# Altium PCB 11BRANMB10H2_20170927.pcbdoc (part 4 of 11)
Units mm, origin at the board's own origin, x right, y up, seen from the top; angles counter-clockwise.
Board outline 91.65 x 48.25 mm, 6 copper layers (TOP, GND1, Singal, POWER, GND2, BOTTOM), stack 0.8 mm thick; 370 components, 289 nets, 1421 pads, 980 vias.
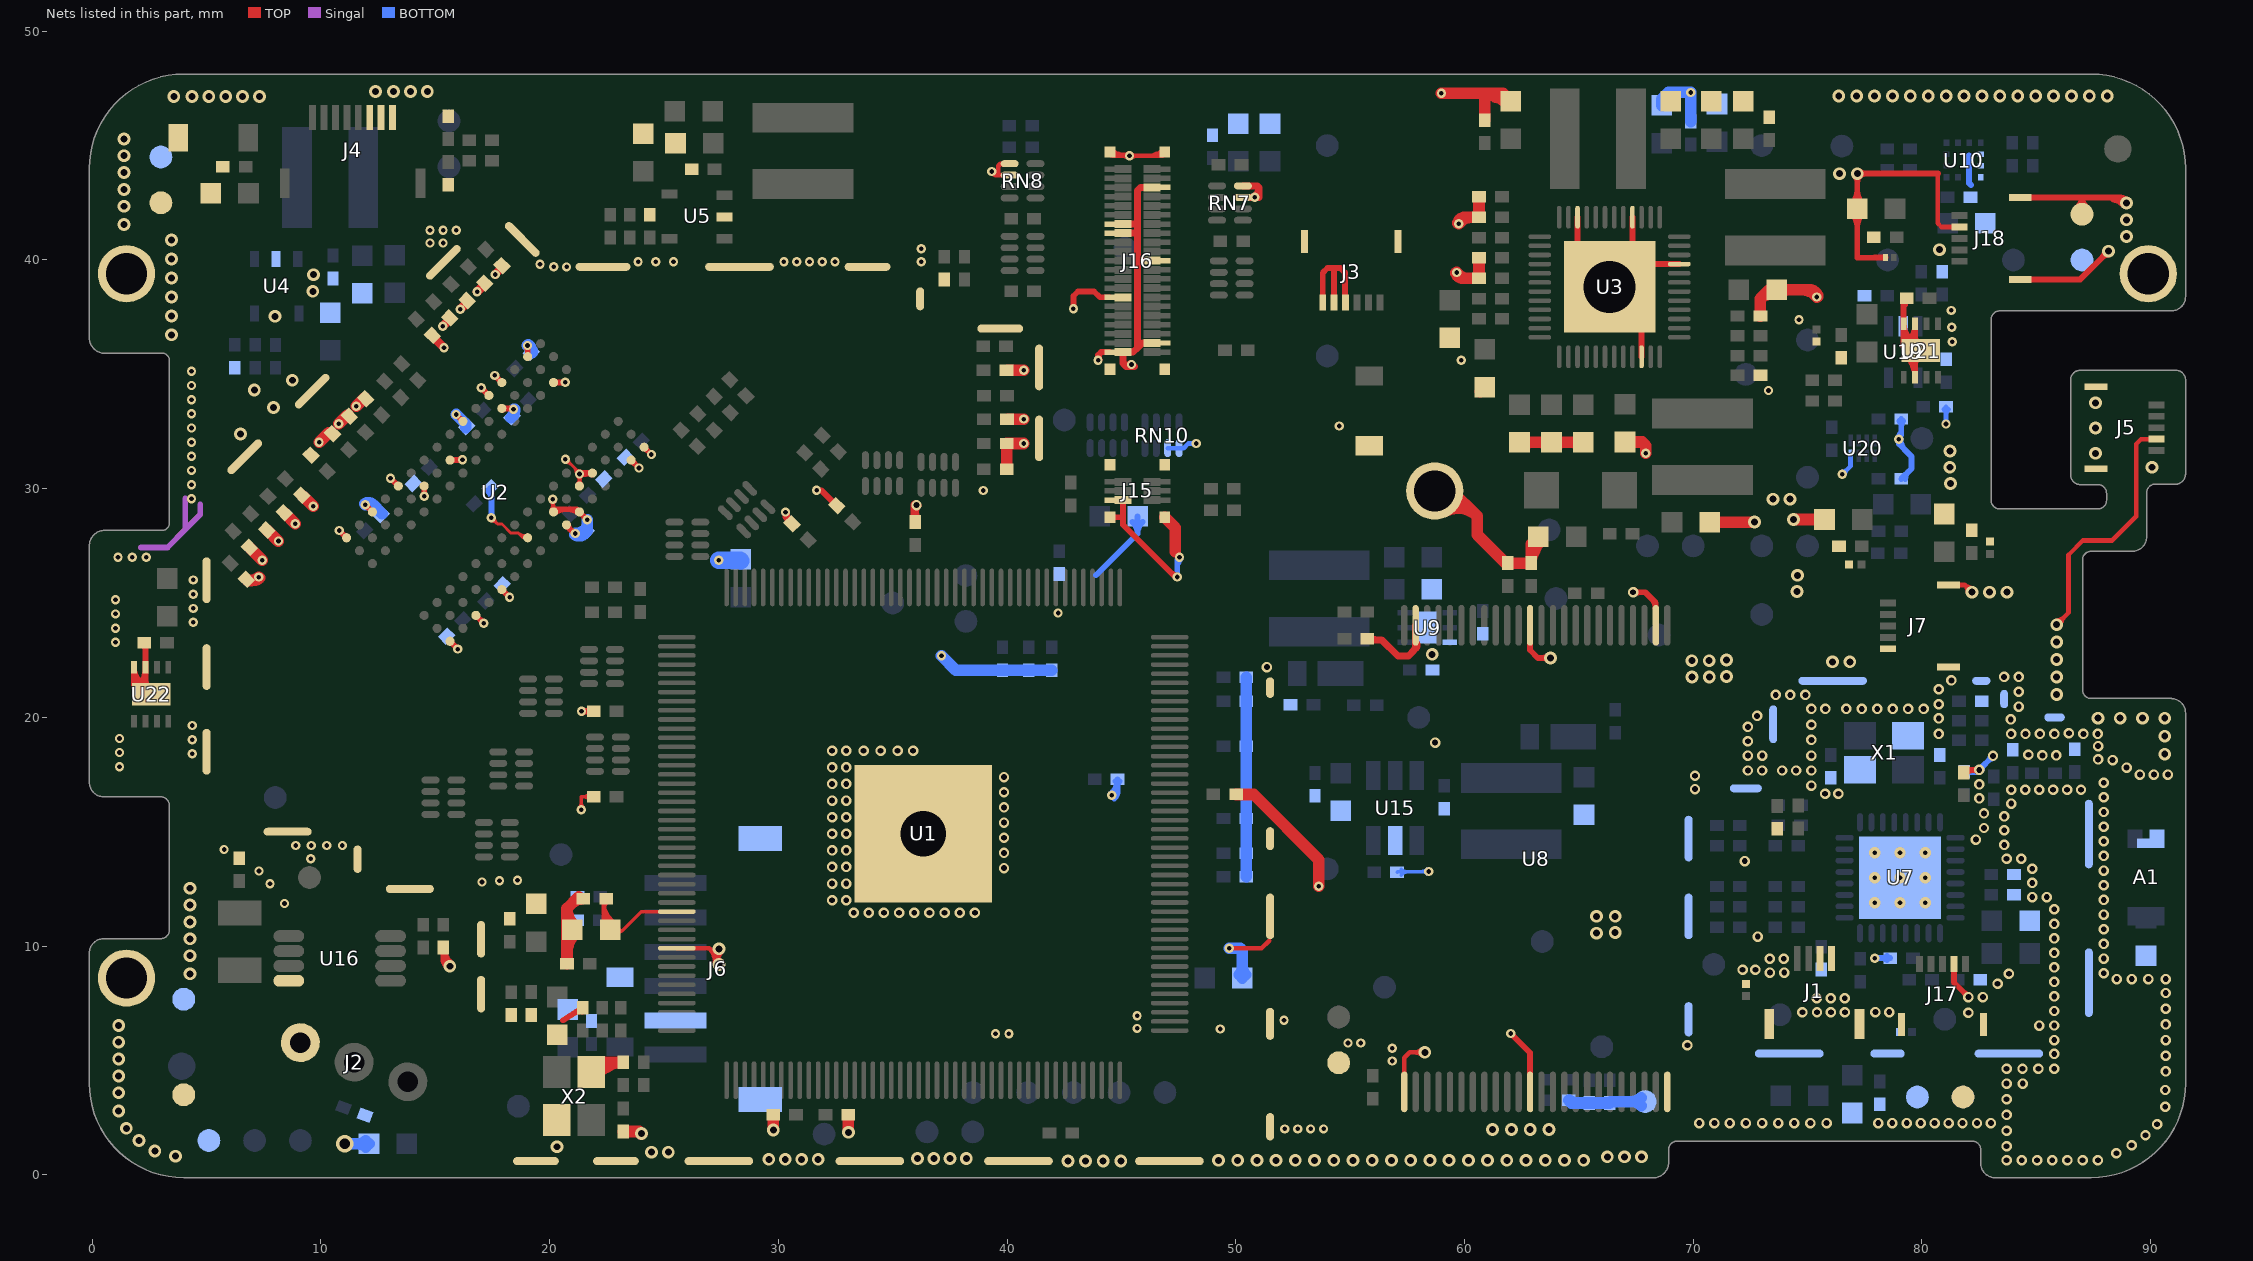
[diagram p8: the nets of this part, all layers, seen from the top]

## Via types
v1: diameter 0.406, hole 0.203, TOP to BOTTOM, tented both sides, 450 vias
v2: diameter 0.457, hole 0.254, TOP to BOTTOM, tented both sides, 256 vias
v3: diameter 0.559, hole 0.305, TOP to BOTTOM, tented both sides, 184 vias
v4: diameter 0.762, hole 0.457, TOP to BOTTOM, tented both sides, 69 vias
v5: diameter 0.61, hole 0.33, TOP to BOTTOM, tented both sides, 11 vias
v6: diameter 0.5, hole 0.2, TOP to BOTTOM, 9 vias
v7: diameter 0.508, hole 0.254, TOP to BOTTOM, tented both sides, 1 vias

## Nets (pads, with @x,y where several pads share a name; then routed paths per layer and width w, separated by ;. In a path a pad name is that pad's centre, name@x,y a point inside that pad or via, vN(x,y) a via of type N, cw(c..) or ccw(c..) an arc to the next point about the centre after c; other vN are vias at no path point) (continued)
GND: A1.1 A1.3@89.8,14.5 C2.1 C3.1 C4.1 C5.1 C7.1 C8.1 C9.1 C10.1 C15.2 C16.1 C17.1 C18.1 C19.1 C20.1 C21.1 C22.1 C23.1 C24.1 C25.1 C26.1 C27.1 C28.1 C29.1 C30.1 C31.1 C32.1 C33.1 C34.1 C35.1 C36.1 C37.1 C38.1 C39.2 C40.1 C41.1 C44.2 C45.2 C46.2 C47.2 C48.2 C49.2 C50.2 C51.2 C52.2 C53.2 C54.2 C55.2 C56.2 C57.2 C59.1 C60.2 C61.2 C62.1 C63.1 C64.2 C65.2 C66.2 C67.2 C68.2 C69.1 C70.1 C71.1 C83.1 C84.2 C85.2 C86.2 C87.2 C88.2 C89.2 C90.2 C91.2 C92.2 C93.2 C94.2 C95.2 C96.2 C97.2 C98.2 C99.2 C100.2 C101.2 C102.2 C103.2 C104.2 C105.2 C106.2 C111.1 C116.1 C117.2 C120.1 C121.1 C122.1 C123.1 C142.1 C145.1 C146.1 C148.1 C152.1 C154.1 C155.1 C156.2 C157.2 C158.1 C159.2 C174.2 C175.2 C176.2 C204.1 C207.1 C208.1 C209.1 C215.2 C216.2 C220.2 C221.2 C225.2 C226.2 C227.2 C228.2 C235.2 C236.2 C237.2 C238.2 C240.1 C241.2 C242.2 C243.1 C244.1 C246.2 C247.2 C248.1 C249.1 C250.2 C251.1 C252.1 C253.1 C254.2 D2.2 D4.1 D5.2 D6.2 D7.2 D8.2 D13.2 D14.2 D15.2 D19.2 D20.2 J1.3 J1.4 J1.5 J1.6 J2.3 J3.4 J3.5 J3.6 J3.7 J3.8 J4.6 J4.7 J4.8 J5.4 J5.6 J5.7 J6.2 J6.7 J6.8 J7.1 J7.6 J7.7 J15.6 J15.7 J15.8 J15.9 J15.10 J16.5 J16.14 J16.16 J16.21 J16.30 J16.39 J16.42 J16.43 J16.44 J16.45 J16.46 J17.4 J17.6 J17.7 J18.4 J18.6 J18.7 pad.0 pad.1 R1.1 R2.1 R12.1 R17.1 R19.1 R28.2 R35.2 R50.1 R71.1 R90.1 R91.1 R94.1 R151.1 R155.1 R160.2 R178.1 R180.2 R188.1 R190.2 R210.2 RN7.3 RN7.4 RN8.1 RN8.2 RN10.1 RN10.2 TP4.1 TP15.1 TP16.1 TP17.1 TP18.1 TP19.1 TP20.1 TP21.1 TP22.1 TP24.1 TP56.1 U1.79 U1.177 U2.A9 U2.B1 U2.B3 U2.B9 U2.D1 U2.D8 U2.E1 U2.E2 U2.E8 U2.F9 U2.G1 U2.G8 U2.G9 U2.J2 U2.J8 U2.L2 U2.M1 U2.M9 U2.P1 U2.P9 U2.T1 U2.T9 U3.9 U3.16 U3.22 U3.46 U3.49 U4.2 U5.2 U7.33 U8.2 U8.13 U8.23 U8.25 U8.36 U8.48 U9.3 U9.7 U10.5 U10.6 U10.7 U10.8 U15.2 U16.4 U19.2 U20.4 U21.2 U21.7 U21.8 U21.9 U22.7 U22.8 U22.9 X1.2 X1.4 X2.2 X2.4 | length 402
  TOP w0.127: v1@17.45,28.713 cw(c17.399,28.464) 17.645,28.53 ; v1(17.453,28.725) 17.722,28.456 17.91,28.456 18.312,28.054 18.642,28.054 ; v1@17.465,28.728 ccw(c17.714,28.779) 17.648,28.533 ; 18.818,27.962 cw(c18.841,27.75) U2.J8@19.031,27.849 ; U2.J8@19.039,27.854 18.843,27.854 18.642,28.054 ; U2.G8@20.059,29.064 ccw(c19.801,29.245) 20.105,29.327 ; U2.G8@20.073,29.081 ccw(c19.92,29.231) 20.127,29.287 ; U2.G8@20.077,29.084 ccw(c19.85,29.324) 20.18,29.314 ccw(c20.509,29.305) U2.G8@20.27,29.079 ; U2.G8@20.101,29.102 ccw(c20.018,29.243) 20.18,29.236 ; 20.126,29.25 ccw(c20.359,29.313) 20.239,29.103 cw(c20.341,29.281) 20.143,29.228 ; U2.G8@20.139,29.034 v1(20.139,29.538) 20.17,29.507 U2.G8@20.17,28.985 ; 20.146,29.226 ccw(c20.232,29.202) U2.G8@20.208,29.116 ; U2.G8@20.249,29.096 cw(c20.343,29.23) 20.18,29.236 ; v1@20.687,31.278 cw(c20.656,31.052) 20.876,31.111 ; v1(20.689,31.291) 20.714,31.291 v1@21.323,30.682 ; v1@20.701,31.294 ccw(c20.974,31.368) 20.901,31.094 ; 21.104,30.874 ccw(c21.414,30.958) v1@21.311,30.654 ; U2.E8@21.212,30.219 ccw(c20.997,30.463) 21.321,30.444 ccw(c21.645,30.424) U2.E8@21.404,30.208 ; U2.E8@21.223,30.228 ccw(c21.136,30.351) 21.282,30.39 ; U2.E8@21.227,30.231 ccw(c21.149,30.348) 21.285,30.384 ; v1@21.23,30.525 cw(c21.091,30.316) 21.337,30.366 ; U2.E8@21.234,30.235 ccw(c21.147,30.387) 21.321,30.373 ; v1@21.244,30.517 cw(c21.195,30.417) 21.301,30.381 ; 21.278,30.39 cw(c21.029,30.39) U2.E8@21.205,30.213 ; v1@21.278,30.444 ccw(c21.557,30.444) U2.E8@21.386,30.224 ; 21.282,30.397 cw(c21.021,30.397) U2.E8@21.205,30.213 ; v1@21.282,30.445 ccw(c21.567,30.445) 21.388,30.223 cw(c21.498,30.355) 21.332,30.399 ; 21.299,30.328 ccw(c21.447,30.368) 21.37,30.235 cw(c21.444,30.363) 21.301,30.325 ; 21.314,30.34 cw(c21.147,30.385) 21.234,30.235 ccw(c21.144,30.389) 21.317,30.343 ; 21.329,30.393 ccw(c21.484,30.352) U2.E8@21.385,30.224 ; 21.343,30.337 cw(c21.566,30.382) v1@21.405,30.543 ; U2.E8@21.355,30.242 cw(c21.405,30.359) 21.278,30.359 ; U2.E8@21.36,30.24 cw(c21.42,30.365) 21.282,30.365 ; U2.E8@21.387,30.223 cw(c21.496,30.36) 21.321,30.373 ; 17.691,28.487 ccw(c17.453,28.248) 17.453,28.586 cw(c17.453,28.248) 17.691,28.487 ; 17.691,28.487 cw(c17.929,28.725) 17.592,28.725 ccw(c17.929,28.725) 17.691,28.487 ; 18.642,28.054 ccw(c18.872,28.284) 18.99,27.981 cw(c18.872,28.284) 18.642,28.054 ; v1@20.04,29.439 cw(c19.726,29.126) 20.17,29.126 ccw(c19.726,29.126) v1@20.04,29.439 ; v1@20.04,29.439 cw(c19.802,29.201) 20.139,29.201 ; v1@20.04,29.439 cw(c19.802,29.201) 20.139,29.201 ; v1@20.069,29.417 cw(c19.966,29.239) 20.165,29.292 ; v1@20.069,29.417 cw(c19.966,29.239) 20.165,29.292 ; v1@20.069,29.417 cw(c19.966,29.239) 20.165,29.292 ; U2.G8@20.074,29.082 ccw(c19.841,29.315) 20.17,29.315 ; U2.G8@20.074,29.082 ccw(c19.916,29.239) 20.139,29.239 cw(c19.916,29.239) U2.G8@20.074,29.082 ; U2.G8@20.074,29.082 ccw(c19.841,29.315) 20.17,29.315 ; 20.139,29.201 cw(c20.476,29.201) v1@20.238,29.439 ; 20.139,29.201 cw(c20.476,29.201) v1@20.238,29.439 ; 20.17,29.315 ccw(c20.5,29.315) U2.G8@20.267,29.082 ; 20.17,29.315 ccw(c20.5,29.315) U2.G8@20.267,29.082 ; 20.18,29.236 cw(c20.38,29.289) v1@20.236,29.438 ; 20.18,29.236 cw(c20.38,29.289) v1@20.236,29.438 ; 20.18,29.236 cw(c20.38,29.289) v1@20.236,29.438 ; v1@20.238,29.439 ccw(c20.401,29.276) 20.17,29.276 cw(c20.401,29.276) v1@20.238,29.439 ; U2.G8@20.267,29.082 cw(c20.575,29.39) 20.139,29.39 ccw(c20.575,29.39) U2.G8@20.267,29.082 ; U2.E8@21.205,30.213 ccw(c20.961,30.457) 21.306,30.457 cw(c20.961,30.457) U2.E8@21.205,30.213 ; U2.E8@21.205,30.213 ccw(c20.972,30.446) v1@21.302,30.446 ; U2.E8@21.205,30.213 ccw(c20.972,30.446) v1@21.302,30.446 ; v1@21.208,30.543 cw(c20.969,30.305) U2.E8@21.306,30.305 ; v1@21.208,30.543 cw(c20.98,30.316) 21.302,30.316 ccw(c20.98,30.316) v1@21.208,30.543 ; v1@21.208,30.543 cw(c20.969,30.305) U2.E8@21.306,30.305 ; v1@21.221,30.532 cw(c21.119,30.401) 21.278,30.359 ; v1@21.221,30.532 cw(c21.119,30.401) 21.278,30.359 ; v1@21.221,30.532 cw(c21.119,30.401) 21.278,30.359 ; v1@21.224,30.529 cw(c21.132,30.405) 21.282,30.365 ; v1@21.224,30.529 cw(c21.132,30.405) 21.282,30.365 ; v1@21.224,30.529 cw(c21.132,30.405) 21.282,30.365 ; v1@21.237,30.521 cw(c21.162,30.392) 21.306,30.43 ; v1@21.237,30.521 cw(c21.162,30.392) 21.306,30.43 ; v1@21.237,30.521 cw(c21.162,30.392) 21.306,30.43 ; 21.278,30.359 cw(c21.099,30.359) 21.214,30.221 ccw(c21.096,30.365) 21.282,30.365 ; 21.293,30.412 cw(c21.466,30.365) v1@21.376,30.521 ; 21.293,30.412 cw(c21.466,30.365) v1@21.376,30.521 ; 21.293,30.412 cw(c21.466,30.365) v1@21.376,30.521 ; 21.295,30.415 cw(c21.463,30.37) v1@21.376,30.521 ; 21.295,30.415 cw(c21.463,30.37) v1@21.376,30.521 ; 21.295,30.415 cw(c21.463,30.37) v1@21.376,30.521 ; U2.E8@21.302,30.165 U2.E8@21.306,30.165 ; U2.E8@21.302,30.165 v1@21.302,30.637 ; U2.E8@21.302,30.165 U2.E8@21.302,30.117 U2.E8@21.306,30.165 ; v1@21.302,30.446 ccw(c21.631,30.446) U2.E8@21.398,30.213 ; v1@21.302,30.446 ccw(c21.631,30.446) U2.E8@21.398,30.213 ; v1@21.302,30.637 v1(21.306,30.642) v1@21.323,30.682 ; v1@21.302,30.637 v1(21.306,30.642) ; U2.E8@21.306,30.165 v1(21.306,30.642) ; U2.E8@21.306,30.305 cw(c21.644,30.305) v1@21.405,30.543 ; U2.E8@21.306,30.305 cw(c21.644,30.305) v1@21.405,30.543 ; v1(21.306,30.642) v1@21.323,30.682 ; 21.321,30.373 cw(c21.452,30.409) v1@21.38,30.523 ; 21.321,30.373 cw(c21.452,30.409) v1@21.38,30.523 ; 21.321,30.373 cw(c21.452,30.409) v1@21.38,30.523 ; U2.E8@21.398,30.213 cw(c21.62,30.435) 21.306,30.435 ccw(c21.62,30.435) U2.E8@21.398,30.213 ; v1@21.405,30.543 ccw(c21.655,30.294) 21.302,30.294 cw(c21.655,30.294) v1@21.405,30.543 ; 18.78,27.916 ccw(c18.949,28.085) 19.036,27.863 cw(c18.949,28.085) 18.78,27.916 ; v1@20.689,31.151 cw(c20.689,30.753) 20.971,31.034 ccw(c20.689,30.753) v1@20.689,31.151 ; v1@20.828,31.291 ccw(c21.104,31.291) 20.909,31.096 cw(c21.104,31.291) v1@20.828,31.291 ; 21.028,30.977 cw(c20.693,30.642) 21.167,30.642 ccw(c20.693,30.642) 21.028,30.977 ; 21.165,30.84 ccw(c21.306,30.982) 21.306,30.782 cw(c21.306,30.982) 21.165,30.84 ; C35.1@35.97,28.649 35.98,28.6 35.98,28.64 C35.1@35.97,28.649
  TOP w0.14: U2.G8@20.139,29.034 U2.G8@20.17,28.985
  TOP w0.152: v1(21.385,15.959) 21.385,16.522 21.399,16.535 C36.1@21.863,16.535 ; v1(21.394,20.265) 21.403,20.274 C33.1@21.863,20.274 ; v1@21.458,20.375 ccw(c21.592,20.607) C33.1@21.661,20.348 ; v1@21.466,20.16 cw(c21.614,19.942) C33.1@21.682,20.196 ; v1@21.504,20.201 cw(c21.803,20.029) C33.1@21.714,20.362 ; v1@21.504,20.328 ccw(c21.746,20.468) C33.1@21.674,20.198 ; v1@21.547,20.327 cw(c21.547,20.153) C33.1@21.71,20.213 ; v1@21.559,20.228 ccw(c21.559,20.389) C33.1@21.71,20.333 ; v1@21.563,20.228 cw(c21.563,19.964) C33.1@21.75,20.151 ; v1@21.582,20.327 ccw(c21.582,20.565) C33.1@21.75,20.396 ; C33.1@21.708,20.33 cw(c21.586,20.371) 21.619,20.246 cw(c21.64,20.167) C33.1@21.715,20.201 ; 21.385,16.266 ccw(c21.692,16.266) 21.475,16.049 cw(c21.692,16.266) 21.385,16.266 ; 21.385,16.266 cw(c21.078,16.266) 21.295,16.049 ccw(c21.078,16.266) 21.385,16.266 ; 21.453,16.535 ccw(c21.453,16.955) 21.75,16.658 cw(c21.453,16.955) 21.453,16.535 ; 21.453,16.535 cw(c21.453,16.116) 21.75,16.413 ccw(c21.453,16.116) 21.453,16.535 ; v1@21.453,20.274 ccw(c21.453,20.693) C33.1@21.75,20.396 ; v1@21.453,20.274 cw(c21.453,19.854) C33.1@21.75,20.151 ; v1@21.453,20.274 ccw(c21.453,20.693) C33.1@21.75,20.396 ; v1@21.453,20.274 cw(c21.453,19.854) C33.1@21.75,20.151 ; v1@21.474,20.364 ccw(c21.6,20.521) C33.1@21.652,20.327 ; v1@21.474,20.364 ccw(c21.6,20.521) C33.1@21.652,20.327 ; v1@21.474,20.364 ccw(c21.6,20.521) C33.1@21.652,20.327 ; v1@21.494,20.185 cw(c21.591,20.107) C33.1@21.624,20.228 ; v1@21.494,20.185 cw(c21.591,20.107) C33.1@21.624,20.228 ; v1@21.494,20.185 cw(c21.591,20.107) C33.1@21.624,20.228 ; v1@21.508,20.322 ccw(c21.671,20.404) C33.1@21.624,20.228 ; v1@21.508,20.322 ccw(c21.671,20.404) C33.1@21.624,20.228 ; v1@21.508,20.322 ccw(c21.671,20.404) C33.1@21.624,20.228 ; v1@21.508,20.209 cw(c21.71,20.11) C33.1@21.652,20.327 ; v1@21.508,20.209 cw(c21.71,20.11) C33.1@21.652,20.327 ; v1@21.508,20.209 cw(c21.71,20.11) C33.1@21.652,20.327 ; v1@21.484,20.175 cw(c21.722,19.937) 21.722,20.274 ccw(c21.722,19.937) v1@21.484,20.175 ; v1@21.484,20.355 ccw(c21.68,20.55) 21.68,20.274 cw(c21.68,20.55) v1@21.484,20.355
  TOP w0.2: v1(47.54,27) 47.54,27.062 47.358,27.244 ; v1(49.715,9.902) 51.126,9.902 51.46,10.236 ; 47.358,27.244 cw(c47.162,27.048) 47.437,27.013 ccw(c47.162,27.048) 47.358,27.244
  TOP w0.203: U1.79@25.56,9.908 26.981,9.908 ; v3@27.23,9.212 ccw(c26.371,9.298) 26.981,9.908 ; v3@27.281,9.32 ccw(c27.131,9.47) 27.343,9.47 ; 27.285,9.604 cw(c26.923,9.243) v3@27.432,9.192 ; v3@27.343,9.241 27.343,9.546 ; v3@27.343,9.298 cw(c27.989,9.298) v3@27.532,9.755 ; 27.343,9.54 cw(c27.526,9.54) v3@27.465,9.713 ; v3@27.47,9.361 cw(c27.542,9.546) 27.343,9.546 ; v1(39.331,43.866) 39.488,43.709 ; v1@39.339,43.764 cw(c39.353,43.575) 39.488,43.709 ; v1@39.433,43.858 ccw(c39.622,43.844) 39.488,43.709 ; v1@39.433,43.875 ccw(c39.615,43.893) 39.615,43.709 ; RN8.1@39.851,44.163 ccw(c39.765,43.97) 39.615,44.12 ; RN8.2@40.113,43.709 39.615,43.709 ; RN8.1@40.113,44.209 39.705,44.209 39.615,44.12 ; J16.45@44.505,44.72 44.674,44.551 v1(45.355,44.551) 46.726,44.551 J16.43@46.895,44.72 ; J16.45@44.585,44.598 cw(c44.764,44.357) 44.914,44.617 ; 46.486,44.617 cw(c46.636,44.357) J16.43@46.815,44.598 ; U8.25@57.367,3.624 57.367,5.117 57.605,5.355 v3(58.266,5.355) ; 80.7,43.774 80.7,41.6 80.858,41.442 J18.4@81.648,41.442 ; J7.7@81.17,25.79 81.879,25.79 v3(82.193,25.476) ; 81.966,25.661 ccw(c82.246,25.736) v3@82.188,25.451 ; 82.009,25.703 cw(c81.934,25.423) v3@82.218,25.481 ; v3@85.869,24.059 cw(c86.153,24) 86.078,24.281 ; v3(85.894,24.054) 86.409,24.569 86.409,27.102 87.044,27.737 88.32,27.737 89.369,28.786 89.369,31.953 89.581,32.164 J5.4@90.263,32.164 ; v3@85.899,24.029 ccw(c85.841,24.313) 86.121,24.238 ; 26.981,9.908 27.208,9.681 27.343,9.546 ; 39.488,43.709 39.615,43.709 ; 39.615,43.709 39.615,43.866 39.615,44.12 ; 45.013,44.601 ccw(c45.112,44.972) v1@45.305,44.639 ; 45.013,44.601 ccw(c45.112,44.972) v1@45.305,44.639 ; 45.013,44.601 ccw(c45.112,44.972) v1@45.305,44.639 ; 45.11,44.551 ccw(c45.11,44.797) 45.284,44.623 cw(c45.11,44.797) 45.11,44.551 ; 45.11,44.551 cw(c45.11,44.306) 45.284,44.48 ccw(c45.11,44.306) 45.11,44.551 ; 45.601,44.551 ccw(c45.601,44.306) 45.427,44.48 cw(c45.601,44.306) 45.601,44.551 ; 45.601,44.551 cw(c45.601,44.797) 45.427,44.623 ccw(c45.601,44.797) 45.601,44.551 ; 57.837,5.355 ccw(c57.837,5.784) 58.14,5.481 cw(c57.837,5.784) 57.837,5.355 ; 57.837,5.355 cw(c57.837,4.926) 58.14,5.229 ccw(c57.837,4.926) 57.837,5.355 ; 81.889,25.78 ccw(c82.193,26.083) 82.193,25.654 cw(c82.193,26.083) 81.889,25.78 ; 81.889,25.78 cw(c81.586,25.476) 82.015,25.476 ccw(c81.586,25.476) 81.889,25.78 ; 86.197,24.357 ccw(c86.501,24.054) 86.072,24.054 cw(c86.501,24.054) 86.197,24.357 ; 86.197,24.357 cw(c85.894,24.661) 85.894,24.231 ccw(c85.894,24.661) 86.197,24.357 ; v3@27.281,9.755 cw(c27.131,9.605) 27.343,9.605 ccw(c27.131,9.605) v3@27.281,9.755 ; J16.45@44.456,44.656 ccw(c44.707,44.907) 44.707,44.551 cw(c44.707,44.907) J16.45@44.456,44.656 ; J16.45@44.599,44.799 ccw(c45.198,45.398) 45.198,44.551 cw(c45.198,45.398) J16.45@44.599,44.799 ; 46.202,44.551 ccw(c46.202,45.398) 46.801,44.799 cw(c46.202,45.398) 46.202,44.551 ; J16.43@46.693,44.551 ccw(c46.693,44.907) 46.944,44.656 cw(c46.693,44.907) J16.43@46.693,44.551
  TOP w0.254: U22.9@1.829,21.415 ccw(c2.402,21.415) U22.9@2.175,20.888 ; 1.829,21.801 ccw(c2.569,21.801) U22.9@2.276,21.122 ; U22.9@1.965,21.276 ccw(c1.087,22.154) U22.7@2.329,22.154 ; U22.9@2.145,21.097 ccw(c1.7,21.541) 2.329,21.541 ; C254.2@2.232,23.179 cw(c1.997,22.945) 2.329,22.945 ; C254.2@2.269,23.266 2.329,23.206 U22.7@2.329,22.187 U22.9@2.329,21.262 ; 2.329,21.671 ccw(c2.888,21.671) U22.9@2.493,21.276 ; 2.329,22.994 cw(c2.591,22.994) C254.2@2.406,23.179 ; U22.9@2.376,21.355 cw(c2.735,22.187) U22.8@1.829,22.187 1.829,21.412 1.979,21.262 U22.9@2.329,21.262 ; U22.9@2.579,21.012 U22.9@2.329,21.262 ; v1(10.799,28.173) U2.T1@11.12,27.854 ; v1(11.941,29.295) U2.P1@12.251,28.985 ; v1(13.045,30.454) U2.M1@13.382,30.116 ; v1(14.513,29.668) U2.L2@14.513,30.117 ; C31.1@15.292,9.783 cw(c15.122,9.487) 15.451,9.576 ; 15.435,9.636 cw(c15.679,9.702) C31.1@15.46,9.828 ; 15.451,9.558 cw(c15.193,9.338) v3@15.497,9.187 ; v3(15.633,9.119) 15.354,9.398 C31.1@15.354,9.939 ; U2.T9@15.645,23.328 v1(15.986,22.987) ; U2.J2@15.645,31.248 16.165,31.248 v1(16.188,31.27) ; v1(15.909,33.246) U2.G1@16.21,32.945 ; U2.P9@16.776,24.46 v1(17.117,24.118) ; v1(17.005,34.413) U2.E1@17.342,34.076 ; v1(17.597,34.952) U2.D1@17.908,34.642 ; U2.M9@17.907,25.591 v1(18.249,25.249) ; U2.E2@17.908,33.511 v1@18.385,33.511 ; U2.E2@17.95,33.451 cw(c18.123,33.209) 18.2,33.497 ; v1(19.031,36.261) 19.039,36.253 U2.B1@19.039,35.773 ; U2.G8@20.17,28.985 20.287,29.102 21.185,29.102 U2.F9@21.302,28.985 v1(21.643,28.644) ; U2.B3@20.17,34.642 v1(20.683,34.649) ; U2.G8@20.201,29.051 ccw(c20.313,29.291) 20.445,29.062 ; 20.573,6.756 R2.1@21.424,7.29 ; U2.G9@20.736,28.419 20.736,28.378 21.074,28.04 v1(21.121,28.04) ; R2.1@21.31,7.163 R2.1@21.454,7.307 ; v1@21.323,30.682 U2.D8@21.867,30.682 ; v1@21.353,30.703 ccw(c21.532,30.938) 21.572,30.645 ; v1@21.459,30.63 cw(c21.633,30.216) U2.D8@21.835,30.617 ; U2.B9@23.564,31.248 v1(23.906,30.906) ; U2.A9@24.13,31.814 v1(24.45,31.494) ; v1@30.267,28.914 cw(c30.019,28.556) C49.2@30.447,28.635 ; v1(30.31,28.977) 30.31,28.756 C49.2@30.555,28.511 ; 30.408,28.765 ccw(c30.673,28.918) C49.2@30.594,28.623 ; 30.414,28.754 cw(c30.165,28.61) C49.2@30.443,28.536 ; v1(31.672,29.929) 31.88,29.929 C34.1@32.51,29.299 ; v1(42.901,37.871) 42.901,38.424 43.104,38.627 43.803,38.627 44.06,38.37 J16.30@44.475,38.37 ; v1(43.98,35.611) 43.98,35.839 44.11,35.97 J16.42@44.475,35.97 ; J15.10@44.505,28.75 45.062,28.75 45.065,28.753 ; J15.6@45.065,29.5 45.065,28.753 ; v1(47.438,26.136) 47.352,26.136 45.065,28.424 45.065,28.753 ; J3.6@53.8,38.15 53.8,39.437 54.013,39.649 54.3,39.649 ; J3.5@54.3,38.15 54.3,39.649 ; J3.4@54.8,38.15 54.775,38.175 54.775,39.446 54.571,39.649 54.3,39.649 ; v1(62.025,6.18) 62.867,5.338 U8.36@62.867,3.624 ; U8.13@62.873,24.03 U8.13@62.867,24.024 62.867,22.942 63.208,22.602 v3(63.767,22.602) ; U3.49@64.943,40.219 U3.22@64.943,41.869 ; U3.16@67.343,41.869 67.343,39.819 U3.9@69.393,39.819 ; v2(67.373,25.47) 67.905,25.47 68.367,25.008 U8.2@68.367,24.024 ; U3.46@67.743,35.769 U3.49@67.743,37.419 ; 77.9,40.1 77.175,40.1 C252.1@77.175,42.241 v3(77.175,43.774) 80.7,43.774 ; 77.926,40.107 D20.2@78.409,40.107 ; U21.9@79.202,36.444 ccw(c79.776,36.444) U21.9@79.549,35.917 ; 79.202,36.83 ccw(c79.942,36.83) U21.9@79.649,36.15 ; C238.2@79.214,38.226 cw(c79.135,38.111) 79.256,38.041 ; C238.2@79.334,38.327 79.202,38.195 U21.8@79.202,37.216 79.202,36.189 79.651,35.74 U21.9@79.678,35.712 ; U21.9@79.338,35.777 cw(c78.46,34.899) U21.2@79.702,34.899 ; U21.9@79.338,36.305 ccw(c78.46,37.183) U21.7@79.702,37.183 ; U21.9@79.518,35.957 cw(c79.073,35.512) 79.702,35.512 ; U21.9@79.518,36.125 ccw(c79.073,36.57) 79.702,36.57 ; U21.2@79.702,34.866 79.702,35.791 U21.9@79.952,36.041 79.702,36.291 U21.7@79.702,37.216 ; 79.702,35.382 cw(c80.261,35.382) U21.9@79.866,35.777 ; J17.4@81.4,9.225 81.4,8.405 v2(82.033,7.772) ; C244.1@81.826,17.594 81.935,17.704 v2(82.511,17.704) ; J18.6@84.298,39.152 86.921,39.152 v3(88.154,40.386) ; J18.7@84.298,42.732 87,42.732 ; TP18.1@87,42 87,42.732 ; 88.378,42.649 ccw(c88.644,43.109) v3@88.875,42.631 ; 88.71,42.741 cw(c88.619,42.583) v3@88.795,42.535 ; v3(88.942,42.494) 88.704,42.732 ; 15.354,9.592 ccw(c15.057,9.592) 15.267,9.802 cw(c15.057,9.592) 15.354,9.592 ; 15.354,9.592 cw(c15.651,9.592) 15.441,9.802 ccw(c15.651,9.592) 15.354,9.592 ; C31.1@15.354,9.939 ccw(c16.197,9.939) 15.72,9.244 cw(c16.197,9.939) C31.1@15.354,9.939 ; 15.373,9.379 ccw(c15.633,9.639) 15.633,9.271 cw(c15.633,9.639) 15.373,9.379 ; 15.373,9.379 cw(c15.113,9.119) 15.481,9.119 ccw(c15.113,9.119) 15.373,9.379 ; 30.352,28.714 ccw(c30.562,28.924) 30.562,28.627 cw(c30.562,28.924) 30.352,28.714 ; 30.352,28.714 cw(c30.142,28.504) 30.439,28.504 ccw(c30.142,28.504) 30.352,28.714 ; C49.2@30.555,28.511 cw(c30.968,28.924) 30.386,28.971 ccw(c30.968,28.924) C49.2@30.555,28.511 ; 32.307,29.502 ccw(c32.517,29.712) 32.517,29.415 cw(c32.517,29.712) 32.307,29.502 ; 32.307,29.502 cw(c32.097,29.292) 32.394,29.292 ccw(c32.097,29.292) 32.307,29.502 ; 44.766,28.75 ccw(c44.766,28.489) 44.581,28.674 cw(c44.766,28.489) 44.766,28.75 ; 44.766,28.75 cw(c44.766,29.011) 44.581,28.826 ccw(c44.766,29.011) 44.766,28.75 ; 63.399,22.602 ccw(c63.399,22.97) 63.659,22.709 cw(c63.399,22.97) 63.399,22.602 ; 63.399,22.602 cw(c63.399,22.234) 63.659,22.494 ccw(c63.399,22.234) 63.399,22.602 ; 67.619,25.47 ccw(c67.619,25.224) 67.445,25.398 cw(c67.619,25.224) 67.619,25.47 ; 67.619,25.47 cw(c67.619,25.715) 67.445,25.541 ccw(c67.619,25.715) 67.619,25.47 ; 77.175,41.462 ccw(c76.395,41.462) 76.946,42.013 cw(c76.395,41.462) 77.175,41.462 ; 77.175,41.462 cw(c77.954,41.462) 77.403,42.013 ccw(c77.954,41.462) 77.175,41.462 ; 77.175,43.021 ccw(c77.954,43.021) 77.403,42.47 cw(c77.954,43.021) 77.175,43.021 ; 77.175,43.021 cw(c76.395,43.021) 76.946,42.47 ccw(c76.395,43.021) 77.175,43.021 ; 77.175,43.407 ccw(c76.807,43.407) 77.067,43.667 cw(c76.807,43.407) 77.175,43.407 ; 77.175,43.407 cw(c77.542,43.407) v3@77.282,43.667 ; 77.175,43.407 cw(c77.542,43.407) v3@77.282,43.667 ; v3@77.282,43.667 cw(c77.542,43.407) 77.542,43.774 ; v3@77.282,43.667 cw(c77.542,43.407) 77.542,43.774 ; 77.542,43.774 cw(c77.542,44.142) 77.282,43.882 ccw(c77.542,44.142) 77.542,43.774 ; 81.86,7.946 ccw(c82.033,8.119) 82.033,7.874 cw(c82.033,8.119) 81.86,7.946 ; 81.86,7.946 cw(c81.686,7.772) 81.931,7.772 ccw(c81.686,7.772) 81.86,7.946 ; 82.266,17.704 ccw(c82.266,17.203) 81.913,17.557 cw(c82.266,17.203) 82.266,17.704 ; 82.266,17.704 ccw(c82.266,17.949) 82.44,17.776 cw(c82.266,17.949) 82.266,17.704 ; 82.266,17.704 cw(c82.266,17.459) 82.44,17.632 ccw(c82.266,17.459) 82.266,17.704 ; 87,42.732 ccw(c87.532,42.732) 87.219,42.302 cw(c87.532,42.732) 87,42.732 ; 87,42.732 cw(c86.468,42.732) 86.781,42.302 ccw(c86.468,42.732) 87,42.732 ; 87,42.732 88.704,42.732 ; 87.894,40.126 ccw(c87.634,40.386) 88.002,40.386 cw(c87.634,40.386) 87.894,40.126 ; 87.894,40.126 cw(c88.154,39.865) 88.154,40.233 ccw(c88.154,39.865) 87.894,40.126 ; 88.704,42.732 ccw(c88.913,42.941) 88.932,42.646 cw(c88.913,42.941) 88.704,42.732 ; 88.704,42.732 cw(c88.495,42.523) 88.79,42.504 ccw(c88.495,42.523) 88.704,42.732 ; 15.354,9.457 ccw(c15.866,9.457) 15.576,9.035 cw(c15.866,9.457) 15.354,9.457 ; 15.949,31.248 ccw(c15.949,31.509) 16.134,31.324 cw(c15.949,31.509) 15.949,31.248 ; 18.147,33.511 cw(c18.147,33.197) 18.369,33.419 ccw(c18.147,33.197) 18.147,33.511 ; v1@18.977,36.207 cw(c18.827,36.057) 19.039,36.057 ccw(c18.827,36.057) v1@18.977,36.207 ; U2.G8@20.222,28.933 cw(c20.629,28.526) 20.629,29.102 ccw(c20.629,28.526) U2.G8@20.222,28.933 ; U2.G9@20.809,28.419 ccw(c21.085,28.419) 20.89,28.224 cw(c21.085,28.419) U2.G9@20.809,28.419 ; 20.843,29.102 cw(c20.843,28.527) 21.25,28.934 ccw(c20.843,28.527) 20.843,29.102 ; 20.912,28.202 ccw(c21.121,28.411) 21.121,28.116 cw(c21.121,28.411) 20.912,28.202 ; 21.09,7.08 cw(c21.327,6.702) 21.426,7.137 ccw(c21.327,6.702) 21.09,7.08 ; v1@21.36,30.588 cw(c21.587,30.361) 21.587,30.682 ccw(c21.587,30.361) v1@21.36,30.588 ; v1@44.049,35.642 cw(c44.319,35.761) 44.11,35.97 ccw(c44.319,35.761) v1@44.049,35.642 ; 47.161,26.327 ccw(c47.438,26.604) 47.438,26.213 cw(c47.438,26.604) 47.161,26.327 ; 68.185,25.19 cw(c67.771,24.776) 68.357,24.776 ccw(c67.771,24.776) 68.185,25.19 ; U21.8@79.202,37.216 ccw(c80.109,37.216) 79.75,36.383 cw(c80.109,37.216) U21.8@79.202,37.216 ; 79.202,37.833 cw(c79.778,37.833) 79.371,38.24 ccw(c79.778,37.833) 79.202,37.833 ; 79.702,36.7 ccw(c80.261,36.7) 79.866,36.305 cw(c80.261,36.7) 79.702,36.7 ; 87.999,42.732 cw(c87.999,41.551) 88.834,42.386 ccw(c87.999,41.551) 87.999,42.732 ; 88.612,42.732 cw(c88.612,42.165) 89.014,42.566 ccw(c88.612,42.165) 88.612,42.732